# Altium PCB AD9837_DDS.PcbDoc
Units mm, origin at the board's own origin, x right, y up, seen from the top; angles counter-clockwise.
Board outline 50 x 26 mm, 2 copper layers (Top Layer, Bottom Layer); 31 components, 19 nets, 82 pads, 3 vias.
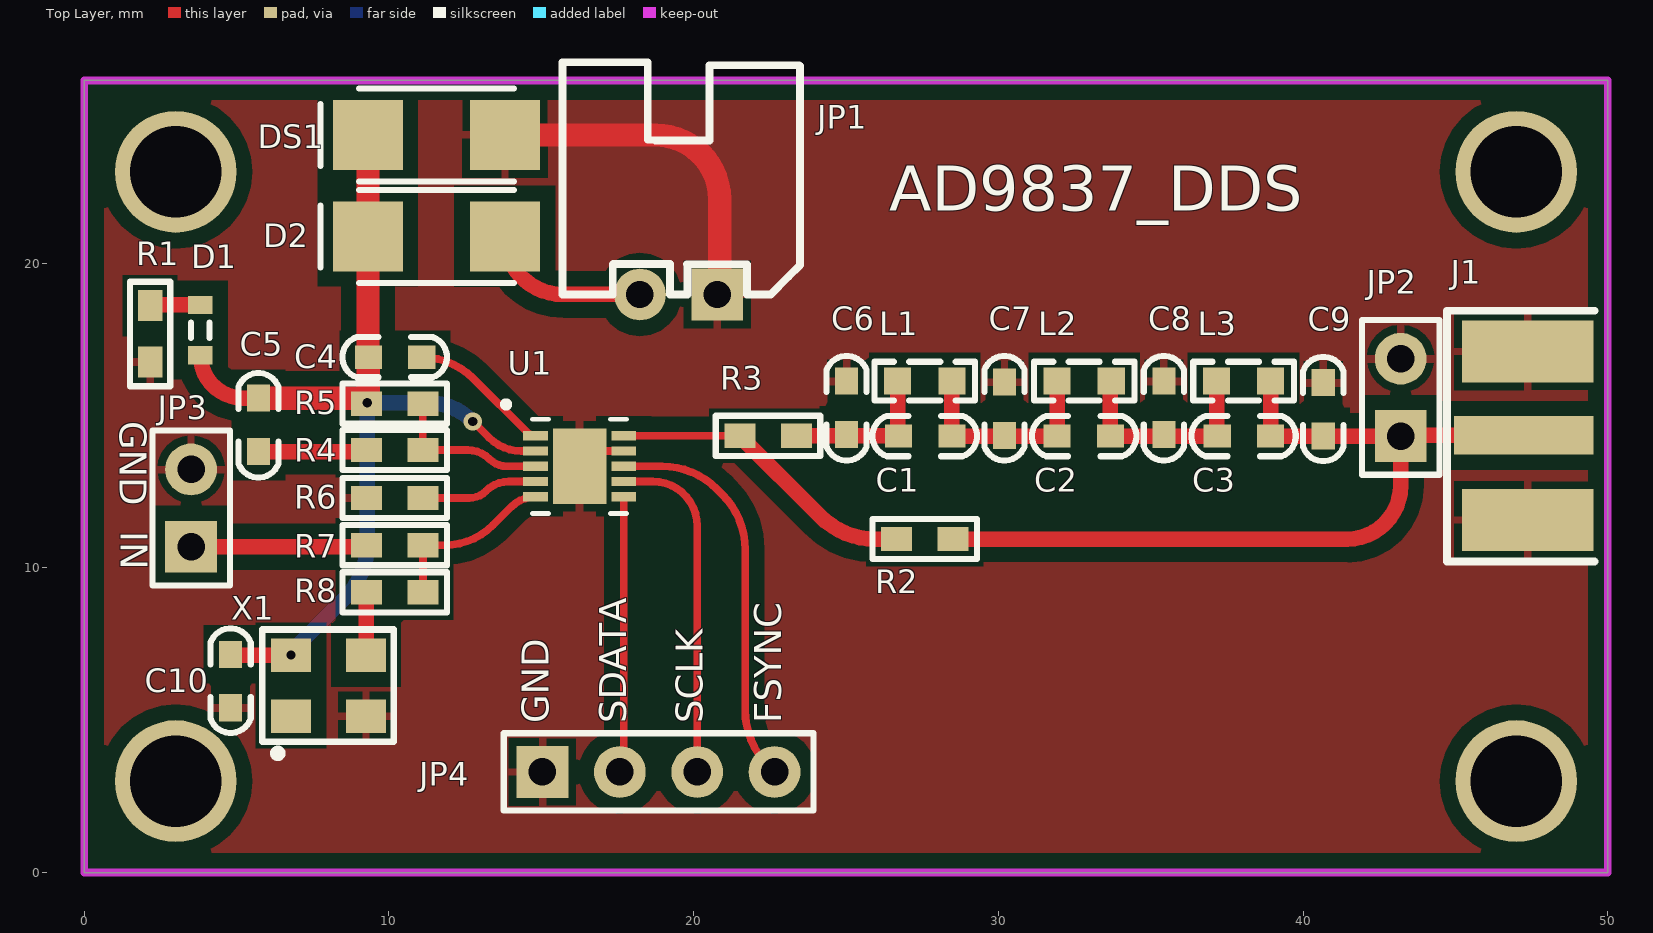
[diagram p0: Top Layer view]
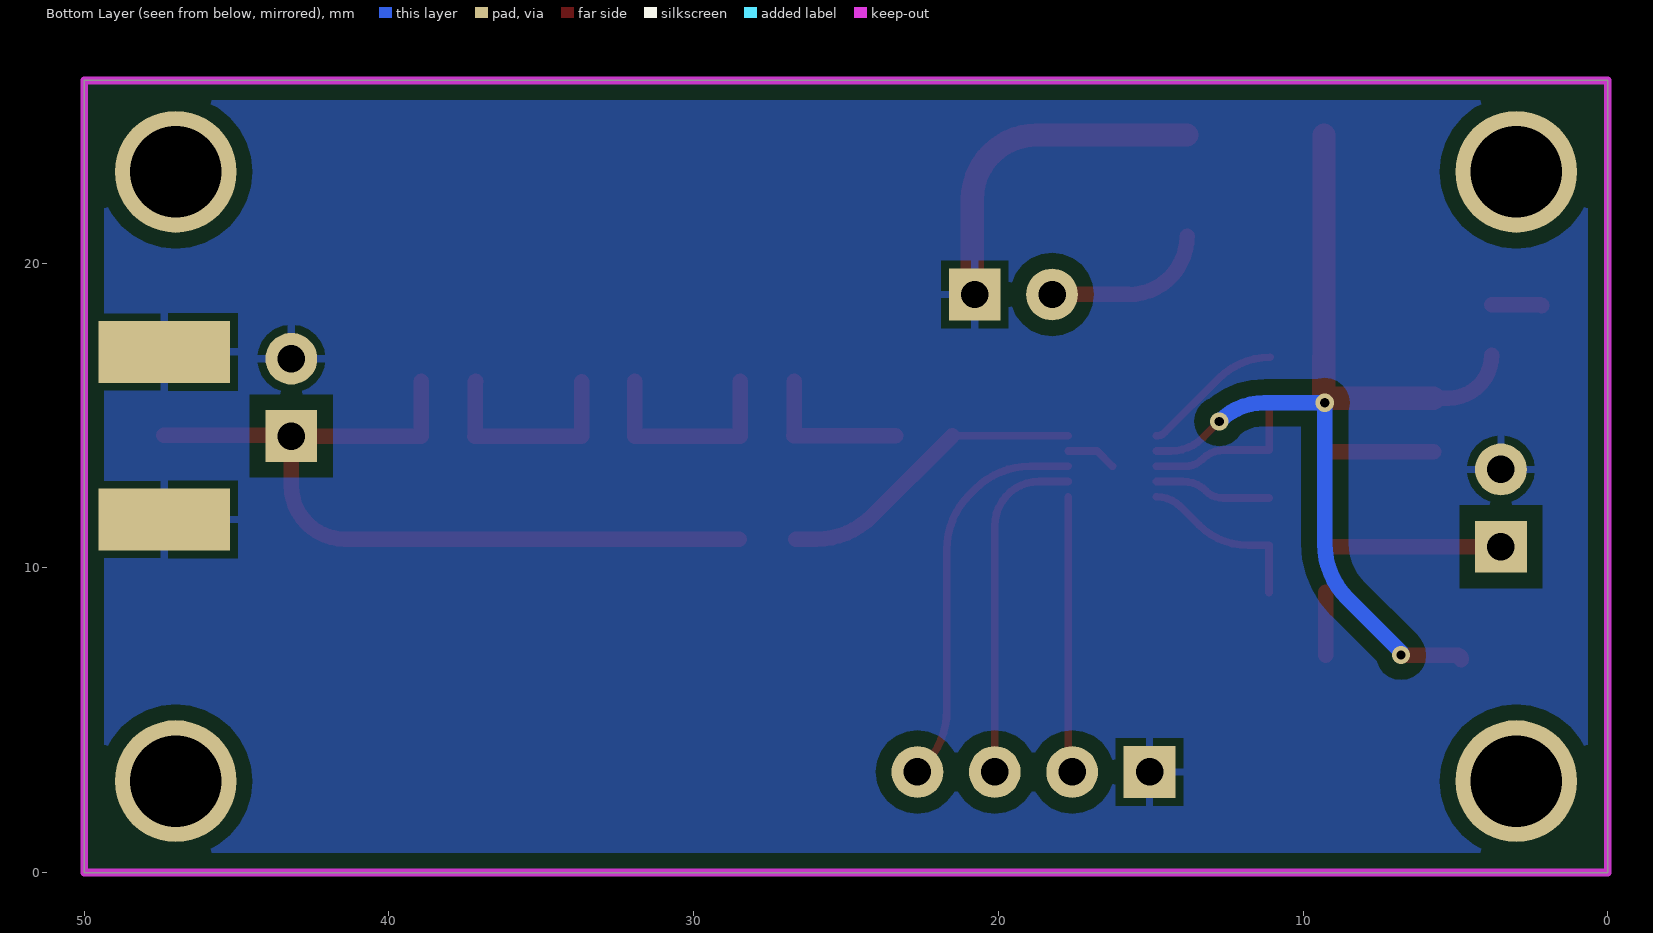
[diagram p1: Bottom Layer view, seen from below]

## Layer stack, top to bottom
Top Solder: solder mask 0.0102, Solder Resist, Dk 3.5
Top Layer: signal copper 0.0356
Dielectric 1: dielectric 0.32, FR-4, Dk 4.8
Bottom Layer: signal copper 0.0356
Bottom Solder: solder mask 0.0102, Solder Resist, Dk 3.5

## Board outline
0,0 50,0 50,26 0,26

## Design rules (kind name [scope] priority, off if disabled: settings)
Clearance [All] p1: gap=0.203 ignorepadtopadclearanceinfootprint=FALSE except(0: Arc-Hole Track-Hole SMDPad-Hole THPad-Hole Via-Hole Fill-Hole Poly-Hole Region-Hole Text-Hole; 0.152: SMDPad-SMDPad; 0.508: Arc-Poly Track-Poly SMDPad-Poly THPad-Poly Via-Poly Fill-Poly Poly-Poly)
HoleToHoleClearance [All] p1: gap=0 allowstackedmicrovias=TRUE
MinimumSolderMaskSliver [All] p1: minsoldermaskwidth=0
PolygonConnect [All] p1: connectstyle=Relief reliefconductorwidth=0.254 reliefentries=4 polygonreliefangle="90 Angle" airgapwidth=0.254
RoutingVias [All] p1: holewidth=0.3 width=0.6 viastyle="Through Hole" minholewidth=0.3 minwidth=0.6 maxholewidth=0.711 maxwidth=3
SilkToSilkClearance [All] p1: silktosilkclearance=0
SilkToSolderMaskClearance [IsPad] p1: minsilkscreentomaskgap=0 clearancetoexposedcopper=TRUE
SolderMaskExpansion [All] p1: expansion=0.102
Width [All] p1: maxlimit=2.54 minlimit=0.025 preferedwidth=0.254
26 further rules are at their usual default settings.

## Components (designator, comment, footprint, x,y, rotation, side; value= is the part's Value field where it differs from the comment)
C1 "120pF" "C 0603" 27.584,14.326 r180 top
C2 "180pF" "C 0603" 32.817,14.326 r0 top
C3 "47pF" "C 0603" 38.049,14.326 r180 top
C4 "103" "C 0603" 10.185,16.916 r180 top
C5 "104" "C 0603" 5.715,14.681 r270 top
C6 "820pF" "C 0603" 25.019,15.24 r270 top
C7 "1nF" "C 0603" 30.201,15.24 r90 top
C8 "820pF" "C 0603" 35.433,15.24 r270 top
C9 "330pF" "C 0603" 40.665,15.215 r90 top
C10 "104" "C 0603" 4.801,6.299 r90 top
D1 "LED" 0603 3.81,17.805 r90 top
D2 "TVS" DIODE-SMA 11.557,24.206 r180 top
DS1 "D Schottky" DIODE-SMA 11.557,20.879 r180 top
J1 "COAX" MCX5.08-5-H 47.244,14.351 r180 top
JP1 "HDR-1X2" XH2.54-2P_H 20.777,18.974 r180 top
JP2 "HDR-1X2" HDR-1X2 43.205,14.326 r90 top
JP3 "HDR-1X2" HDR-1X2 3.505,10.693 r90 top
JP4 "HDR-1X4" HDR-1X4 15.037,3.302 r0 top
L1 "2.2uH" "L 0603" 27.584,16.129 r0 top
L2 "2.2uH" "L 0603" 32.817,16.129 r0 top
L3 "1.8uH" "L 0603" 38.049,16.129 r0 top
R1 "1K" "R 0603" 2.159,17.678 r270 top
R2 "0" "R 0603" 27.584,10.947 r0 top
R3 "0" "R 0603" 22.441,14.335 r0 top
R4 "0" "R 0603" 10.184,13.868 r0 top
R5 "0" "R 0603" 10.184,15.392 r0 top
R6 "0" "R 0603" 10.184,12.294 r0 top
R7 "0" "R 0603" 10.185,10.744 r0 top
R8 "0" "R 0603" 10.185,9.195 r0 top
U1 "AD9837" CP-10-9 16.256,13.335 r0 top
X1 "XTAL" XTAL-3225 6.782,5.131 r90 top

## Footprints (in the part's own frame and the unit in brackets; to place one, negate y for a bottom-side part, rotate by r counter-clockwise, add the part's x,y. Pads: shape width x height; smd on the part's side, far side on the other; paste and mask are expansions set on the pad)
0603 [mm] "2.1x0.8mm, =35mil, IPC High Density"
  rect 0.6x0.8 smd: 1(-0.825,0) 2(0.825,0)
  silkscreen extent -0.25,-0.3 0.25,0.3, body extent -0.85,-0.47 0.85,0.48, height 0.9
"C 0603" [mil] "无极性贴片电容"
  rect 35x30 smd: 1(-35,0) 2(34,0)
  silkscreen extent -67,-26 67,26, body extent -31,-16 31,16, height 32
CP-10-9 [mil] "LFCSP_WD"
  rect 32x12 smd mask+4: 1(-57,39.37) 2(-57,19.68) 3(-57,0) 4(-57,-19.68) 5(-57,-39.37) 6(57,-39.37) 7(57,-19.68) 8(57,0) 9(57,19.68) 10(57,39.37)
  rect 69x98 smd: 11(0,0)
  silkscreen extent -98,-61 61,83, body extent -63,-61 63,61, height 31
DIODE-SMA [mm] "贴片二极管"
  rect 2.3x2.3 smd: 1(-2.25,0) 2(2.25,0)
  silkscreen extent -2.54,-1.52 3.81,1.52, body extent -2.92,-1.4 2.92,1.4, height 3
HDR-1X2 [mm] "排针，2脚"
  rect 1.7x1.7 hole 0.9: 1(0,0)
  round 1.7 hole 0.9: 2(2.54,0)
  silkscreen extent -1.27,-1.27 3.81,1.27, body extent -1.27,-1.27 3.81,1.27, height 8.5
HDR-1X4 [mm] "排针，4脚"
  rect 1.7x1.7 hole 0.9: 1(0,0)
  round 1.7 hole 0.9: 2(2.54,0) 3(5.08,0) 4(7.62,0)
  silkscreen extent -1.27,-1.27 8.89,1.27, body extent -1.27,-1.27 8.89,1.27, height 8.5
"L 0603" [mil] "小功率贴片电感"
  rect 35x35 smd: 1(-35,0) 2(35,0)
  silkscreen extent -65,-25 65,25, body extent -31,-16 31,16, height 31
MCX5.08-5-H [mil]
  rect 180x50 smd: 1(0,0)
  rect 170x80 smd: 2(-5,109.25) 5(-5,-108.27)
  rect 170x80 smd far side: 3(-5,108.66) 4(-5,-107.87)
  silkscreen extent -92,-161 99,163, body extent -93,-132 80,134, height 39
"R 0603" [mil] "1/10W贴片电阻"
  rect 40x31.5 smd: 1(-36.5,0) 2(36.5,0)
  silkscreen extent -68,-26 68,26, body extent -31,-16 32,16, height 16
XH2.54-2P_H [mm] "接插件，2P"
  rect 1.7x1.7 hole 0.9: 1(0,0)
  round 1.7 hole 0.9: 2(2.54,0)
  silkscreen extent -2.72,-7.62 5.08,0, body extent -2.5,-7.35 5.04,0.35, height 5.73
XTAL-3225 [mm] "有源晶振"
  rect 1.1x1.3 smd: 1(0,0) 2(0,-2.464) 3(2.007,-2.464) 4(2.007,0)
  silkscreen extent -1.35,-3.38 2.84,0.94, body extent -0.28,-2.82 2.22,0.38, height 0.8

## Part data
C1 C2 C3 C4 C5 C6 C7 C8 C9 C10: library part C, "无极性贴片电容"
D1: "发光二极管", LatestRevisionDate=08-Jul-2005, LatestRevisionNote="Mech Layer 1 removed.", PackageReference=LED, Published=8-Jun-2000, Publisher="Altium Limited"
D2: "TVS保护", PackageDocument=Sep-1996, Code_JEDEC=DO-214-AB, LatestRevisionDate=17-Jul-2002, LatestRevisionNote="Re-released for DXP Platform.", PackageReference=SMC, Published=8-Jun-2000, Publisher="Altium Limited", Type=SMJB5.0A
DS1: "Schottky Diode", Code_JEDEC=DO-214-AA, LatestRevisionDate=17-Jul-2002, LatestRevisionNote="Re-released for DXP Platform.", PackageDescription="DO-214-AA/SMB; 2 C-Bend Leads; Body 5.3 x 3.6 mm, inc. leads (LxW)", PackageReference=SMB, Published=8-Jun-2000, Publisher="Altium Limited"
JP1 JP2 JP3: library part "Header 2", "2P接插件", BOM名称=2P接插件, 学习资源=www.ooocke.com, 版权归属=源创客
JP4: library part "Header 4", "4P接插件", BOM名称=4P接插件, 学习资源=www.ooocke.com, 版权归属=源创客
L1 L2 L3: library part L, "小功率贴片电感"
R1 R2 R3 R4 R5 R6 R7 R8: library part R, "贴片电阻"
U1: "低功耗、8.5mW、2.3V至5.5V可编程波形发生器"
X1: library part XTAL_Oscillator, "有源晶振", Frequency=16MHz

## Free pads (board coordinates)
  round 4 hole 3: 2(3,3) 2(3,23) 2(47,3) 2(47,23)

## Via types
v1: diameter 0.6, hole 0.3, Top Layer to Bottom Layer, tented both sides, 3 vias

## Nets (pads, with @x,y where several pads share a name; then routed paths per layer and width w, separated by ;. In a path a pad name is that pad's centre, name@x,y a point inside that pad or via, vN(x,y) a via of type N, cw(c..) or ccw(c..) an arc to the next point about the centre after c; other vN are vias at no path point)
DGND: R6.2 U1.4 | length 3.8
  Top Layer w0.254: R6.2 12.631,12.294 ccw(c12.631,13.074) 13.183,12.522 cw(c13.938,11.767) 13.938,12.835 U1.4
FSYNC: JP4.4 U1.8 | length 13.1
  Top Layer w0.254: U1.8 18.963,13.335 cw(c18.963,10.795) 20.759,12.591 20.948,12.403 cw(c19.152,10.606) 21.692,10.606 21.692,5.319 ccw(c24.232,5.319) 22.436,3.523 JP4.4
GND: C6.1 C7.2 C8.1 C9.2 C10.1 D2.1 J1.2 J1.3 J1.4 J1.5 JP1.1 JP2.2 JP3.2 JP4.1 R1.2 R6.1 U1.9 U1.11 X1.2 | length 13.1
  Top Layer w0.254: U1.11 16.756,13.835 U1.9
  Top Layer w0.762: D2.1 18.745,24.206 cw(c18.745,22.098) 20.853,22.098 20.853,19.05 cw(c20.777,19.05) JP1.1
NetC1_1: C1.1 C2.1 C7.1 L1.2 L2.1 | length 7.1
  Top Layer w0.508: L1.2 C1.1 C2.1 L2.1
NetC1_2: C1.2 C6.2 L1.1 R3.2 | length 5.2
  Top Layer w0.254: C1.2@26.711,14.335 C1.2
  Top Layer w0.508: R3.2 C1.2@26.695,14.335 ; L1.1 C1.2@26.695,14.335 ; C1.2@26.711,14.335 C1.2@26.695,14.335
NetC2_2: C2.2 C3.2 C8.2 L2.2 L3.1 | length 7.1
  Top Layer w0.508: L2.2@33.68,16.104 C2.2 C3.2 37.173,14.338 37.173,16.116 L3.1
NetC3_1: C3.1 C9.1 J1.1 JP2.1 L3.2 R2.2 | length 27.6
  Top Layer w0.508: R2.2 41.453,10.947 ccw(c41.453,12.7) 43.205,12.7 JP2.1 C9.1 C3.1 L3.2 ; JP2.1@43.155,14.351 JP2.1@43.332,14.351 ; JP2.1@43.332,14.338 JP2.1@43.332,14.351 ; J1.1@47.396,14.351 J1.1 JP2.1@43.332,14.351
NetC4_1: C4.1 U1.1 | length 4.7
  Top Layer w0.254: C4.1 cw(c11.074,14.525) 12.765,16.216 14.532,14.449 ccw(c14.808,14.726) U1.1
NetC5_2: C5.2 R4.1 | length 3.6
  Top Layer w0.508: C5.2 9.135,13.818 ccw(c9.135,13.991) R4.1
NetD1_2: D1.2 R1.1 | length 1.7
  Top Layer w0.508: R1.1 cw(c2.219,18.545) 2.219,18.63 D1.2
NetDS1_1: DS1.1 JP1.2 | length 5.5
  Top Layer w0.508: DS1.1 ccw(c15.712,20.879) 15.712,18.974 JP1.2
NetJP3_1: JP3.1 R7.1 | length 5.8
  Top Layer w0.508: JP3.1 9.136,10.693 ccw(c9.136,10.867) R7.1
NetR2_1: R2.1 R3.1 U1.10 | length 10.2
  Top Layer w0.254: U1.10 R3.1
  Top Layer w0.508: R3.1 24.157,11.691 ccw(c25.954,13.487) 25.954,10.947 R2.1
NetR4_2: R4.2 R5.2 U1.3 | length 5.4
  Top Layer w0.254: R5.2 R4.2 12.574,13.868 cw(c12.574,12.828) 13.31,13.564 ccw(c13.861,14.115) 13.861,13.335 U1.3
NetR7_2: R7.2 R8.2 U1.5 | length 5.8
  Top Layer w0.254: R8.2 R7.2 11.817,10.744 ccw(c11.817,12.999) 13.411,11.405 14.012,12.005 cw(c14.808,11.209) U1.5
NetR8_1: R8.1 X1.3 | length 2.1
  Top Layer w0.508: X1.3 ccw(c9.215,7.168) 9.258,7.168 R8.1
SCLK: JP4.3 U1.7 | length 11.3
  Top Layer w0.254: U1.7 18.661,12.835 cw(c18.661,11.379) 20.117,11.379 JP4.3
SDATA: JP4.2 U1.6 | length 9.1
  Top Layer w0.254: JP4.2 ccw(c17.27,3.609) 17.704,3.609 U1.6
VCC: C4.2 C5.1 C10.2 D1.1 D2.2 DS1.2 R5.1 U1.2 X1.4 | length 32.2
  Top Layer w0.254: v1(9.286,15.422) R5.1@9.322,15.457 ; v1(12.751,14.808) 13.285,14.274 ccw(c14.346,15.337) 14.346,13.835 U1.2
  Top Layer w0.508: D1.1 ccw(c5.22,16.98) 5.22,15.57 C5.1 ; C10.2@4.801,6.985 cw(c4.953,6.985) 4.953,7.137 v1(6.782,7.137)
  Top Layer w0.762: C5.1 R5.1@9.079,15.57 ; D2.2 DS1.2 9.307,16.916 C4.2 R5.1@9.322,15.457
  Bottom Layer w0.508: v1(6.782,7.137) 6.782,7.214 cw(c6.843,7.214) 6.8,7.257 8.542,9 ccw(c6.746,10.796) 9.286,10.796 v1(9.286,15.422) 11.27,15.422 cw(c11.27,13.327) v1(12.751,14.808)
pads on no net: X1.1

## Polygon pours and split planes (outlines as drawn)
GND on Bottom Layer "Top Layer-No Net1" (solid, remove dead copper, pour order 3): 0,0 50,0 50,26 0,26
GND on Top Layer "Top Layer-No Net" (solid, remove dead copper, pour order 2): 0,0 50,0 50,26 0,26

## Keep-outs
Keep-Out Layer:
  the board outline again, w0.254

## Silkscreen, mask and mechanical layers (free items; w line width, h text height)
Top Overlay:
  text "AD9837_DDS" at 26.416,21.234 h2.54
  text "GND" at 0.864,14.808 h1.52 r270
  text "IN" at 0.897,11.201 h1.52 r270
  text "GND" at 15.545,4.902 h1.52 r90
  text "SDATA" at 18.085,4.902 h1.52 r90
  text "SCLK" at 20.599,4.902 h1.52 r90
  text "FSYNC" at 23.165,4.902 h1.52 r90
Top Solder:
  rectangle: 26.06,2.065 34.315,4.986